# Altium PCB Spektrop2_Processor_Board_V1_draft_v4.PcbDoc (part 1 of 4)
Units mm, origin at the board's own origin, x right, y up, seen from the top; angles counter-clockwise.
Board outline 42 x 42 mm, 8 copper layers (TOP, L1-GND, L2, L3-1V8, L4-PWR, L5, L6-GND, BTM), stack 1.554 mm thick; 281 components, 241 nets, 1443 pads, 627 vias.
Unrouted connection lines stored in the file: 18.
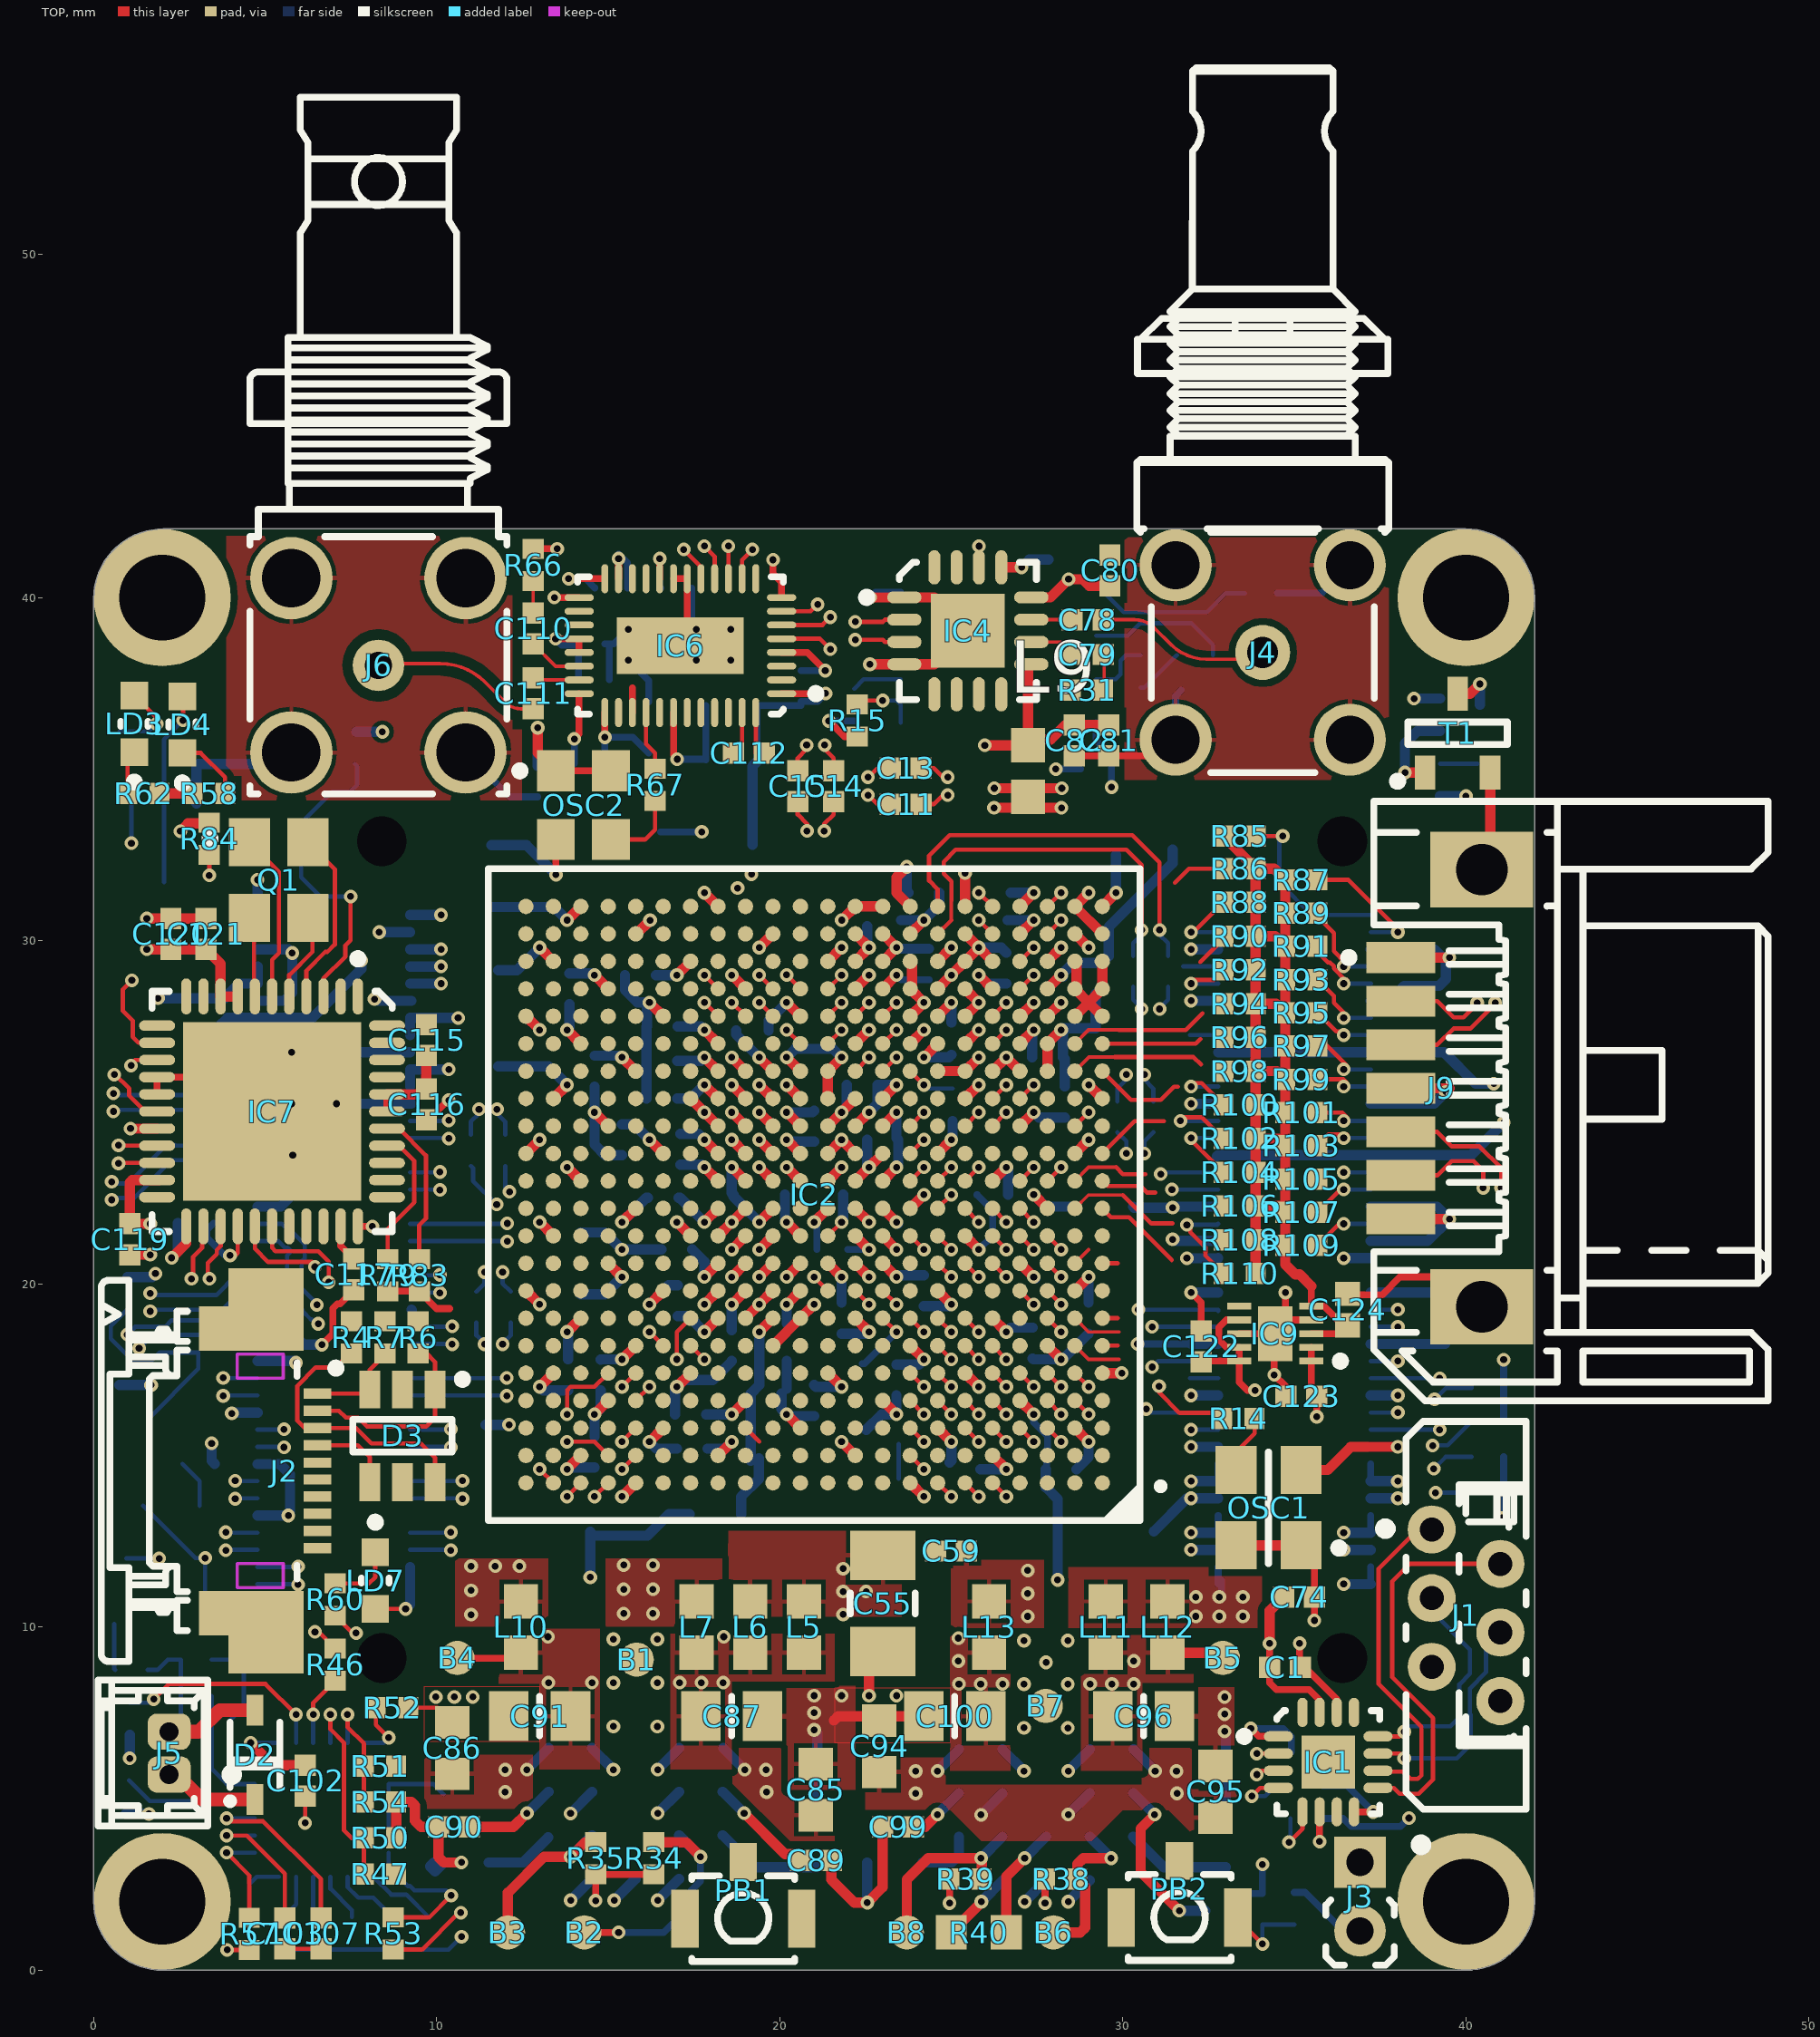
[diagram p0: TOP view]
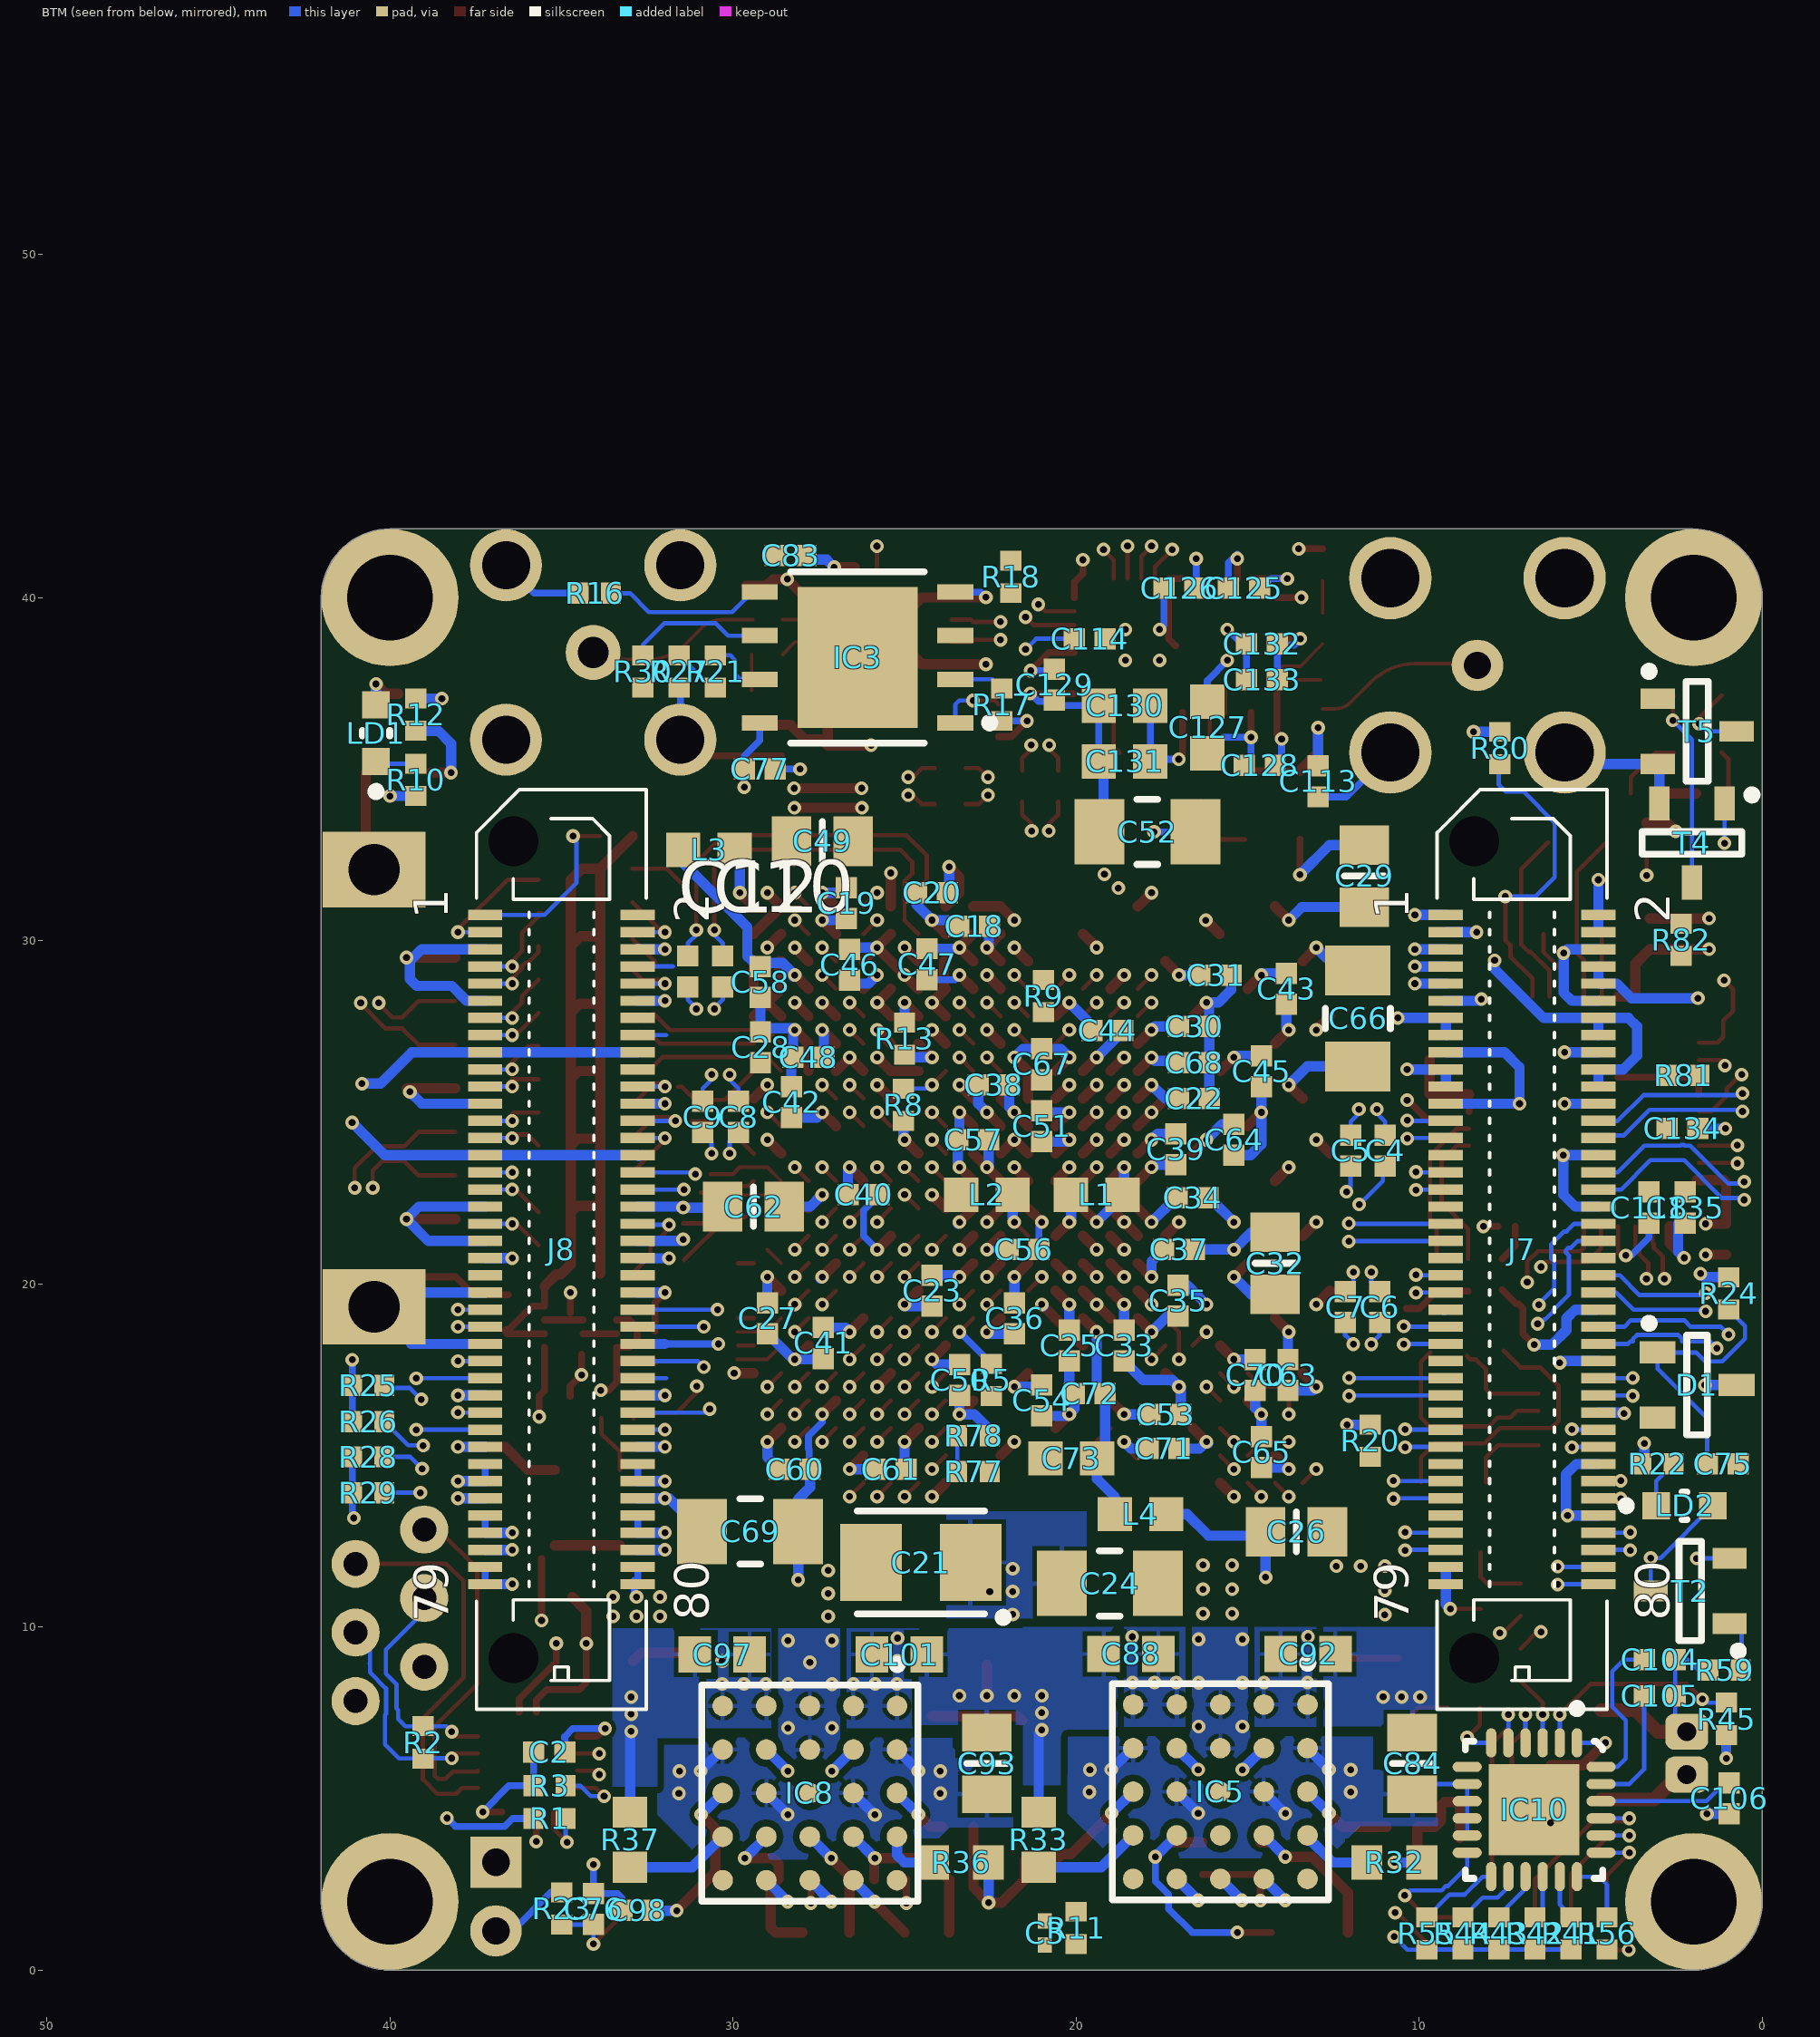
[diagram p1: BTM view, seen from below]
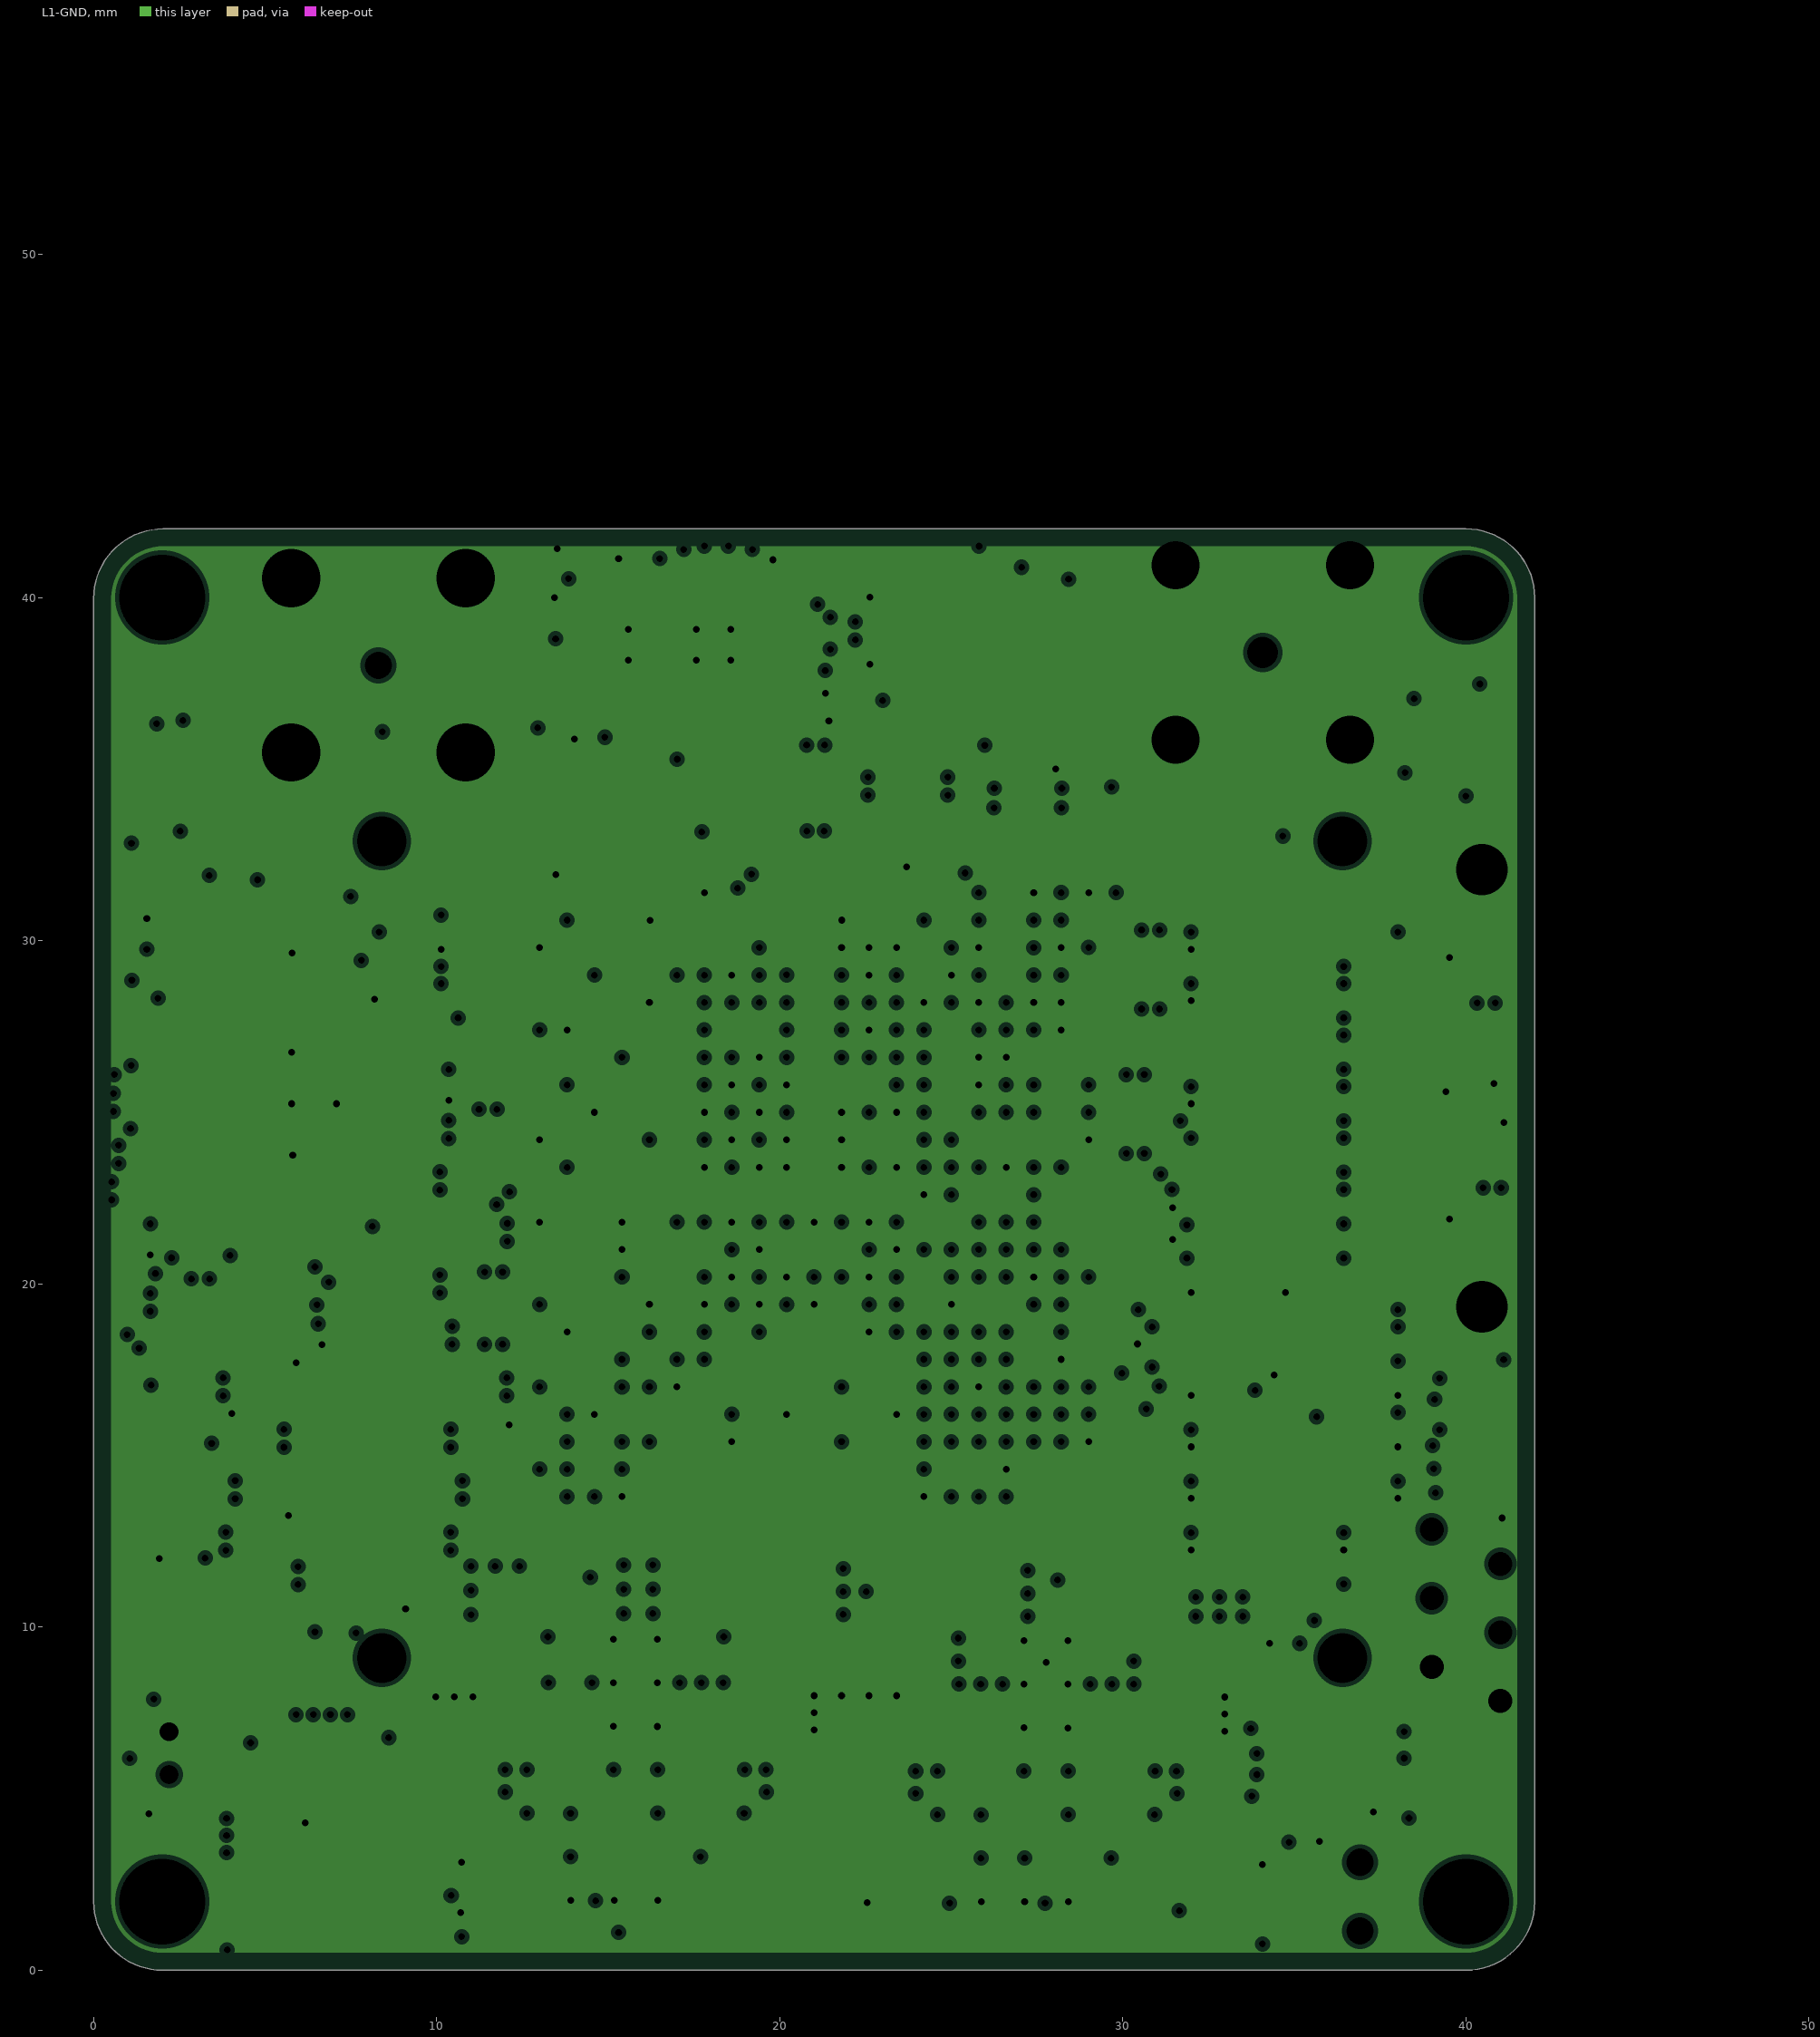
[diagram p2: L1-GND, clearances drawn from the general rule]
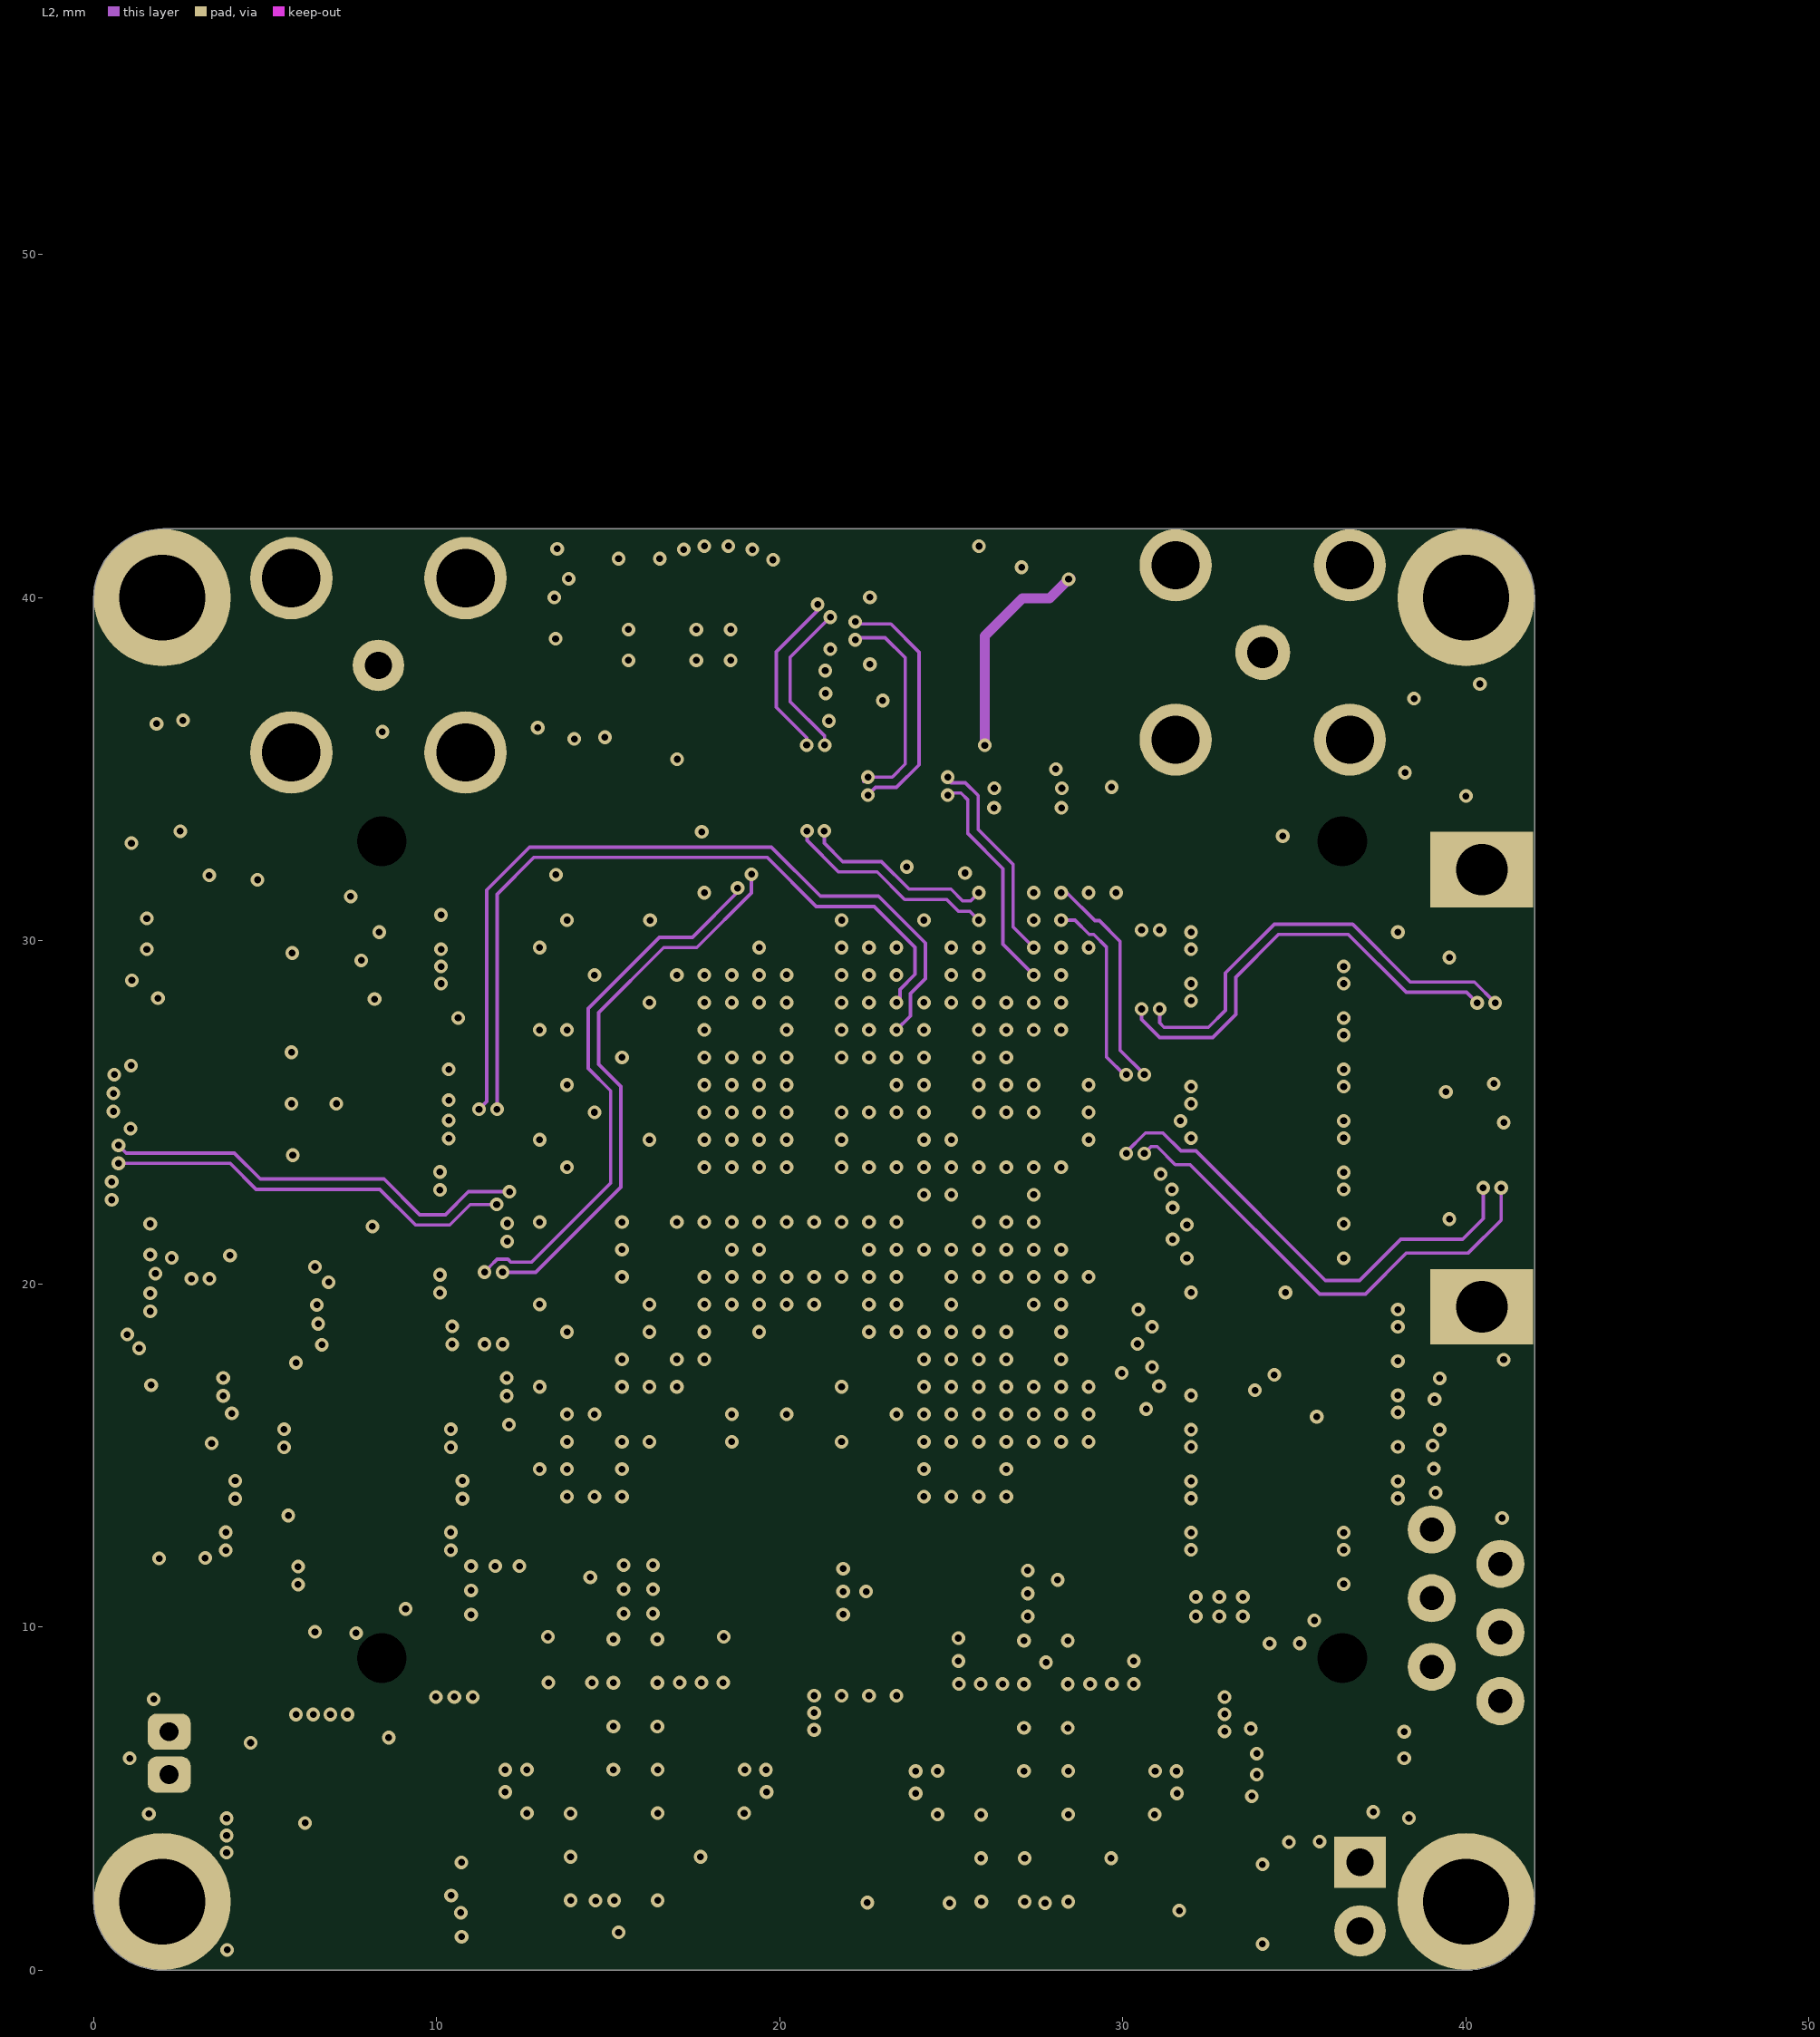
[diagram p3: L2]